# Allegro board meta_carrier_lay_rev1.brd (continued)
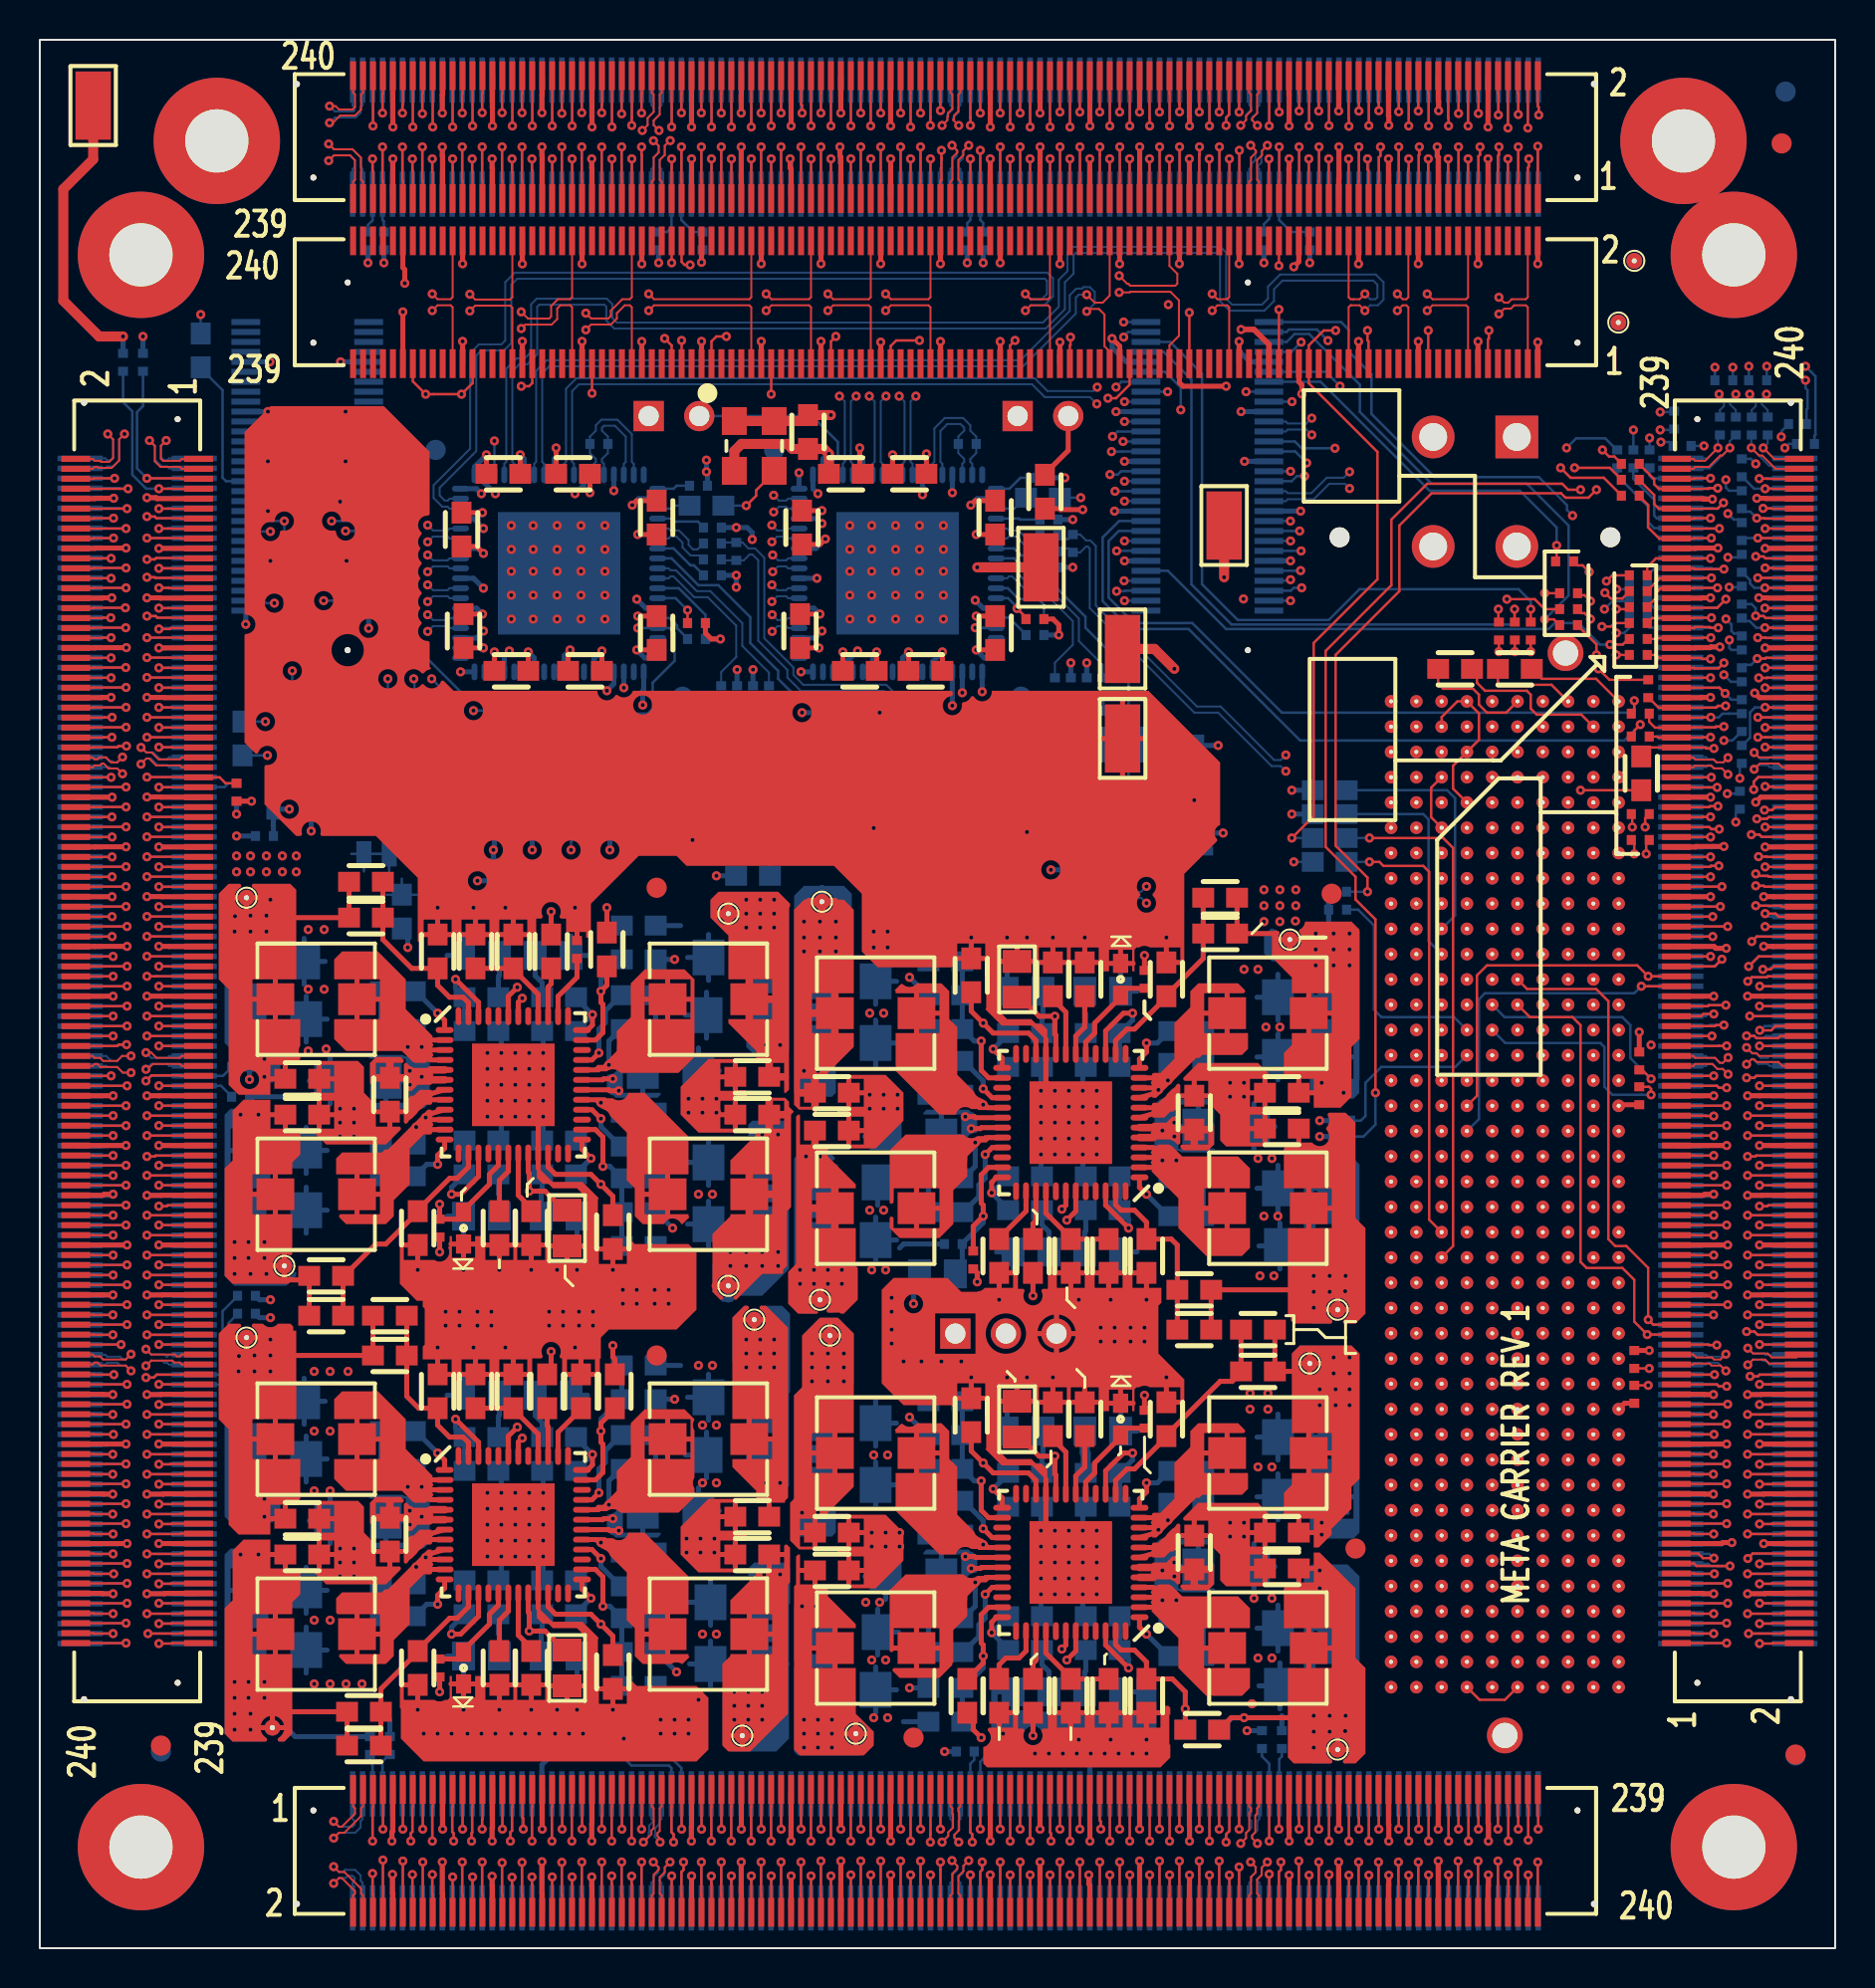
[diagram p0: board, top side]
## Routing (per net, layer and track width the routed paths; a pad name or vN(x,y) marks a point on that pad's centre or on a via; arc(x,y) is an arc through that point) (continued)
  BOTTOM w0.254: J15.140 3.39,40.33 3.39,40.33 v1(4.33,40.33) ; J12.80 v1(35.23,4.33) ; 11.03,30.68 TP13.1 10.38,30.03 ; J12.79 35.23,7.75 v1(35.23,5.98) ; v1(5.98,40.33) 7.75,40.33 J15.139 ; 9.43,27.48 C187.1 ; C187.1 10.48,28.63 ; C187.1 10.48,26.33 ; v1(20.23,5.98) 20.23,6.08 20.21,6.1 J12.19 ; v1(4.33,25.33) 3.4,25.33 3.39,25.31 J15.200 ; J12.20 v1(20.21,4.33) ; 9.53,24.58 C183.1 ; C183.1 10.58,23.43 ; C183.1 10.58,25.73 ; J15.199 6.14,25.31 6.13,25.33 v1(5.98,25.33)
  vias: v1(10,29.75) v1(9.98,28.98) v1(10.78,29.78) v1(10.78,28.98) v1(11.28,22.58) v1(11.28,21.68) v1(11.58,30.58) v1(11.58,29.78) v1(11.58,28.98)
Q2_VDDIO: length 67.9
  TOP w0.254: v1(40.23,4.38) 40.23,2.76 40.23,2.76 J5.100 ; L13.2 11.83,16.83 ; L13.2 11.83,14.73 ; L13.2 10.63,15.78 ; 11.53,19.78 C59.1 12.33,19.03 ; v1(25.22,4.34) 25.22,2.77 25.23,2.76 J5.40 ; v1(40.23,5.98) 40.23,6.49 40.23,6.49 J5.99 ; J3.219 v1(5.98,20.33) ; J5.39 v1(25.23,5.98) ; J3.220 v1(4.38,20.33) ; 11.03,11.08 TP18.1 ; TP18.1 12.33,11.08 ; TP18.1 11.68,11.73 ; R41.2 C69.1 12.58,11.88 ; J3.159 v1(5.98,35.33) ; J3.160 v1(4.38,35.33)
  PWR_L8 w0.254: TP18.1 12.33,11.08 ; TP18.1 11.03,11.08 ; TP18.1 11.68,10.43 ; TP18.1 11.68,11.73
  BOTTOM w0.254: v1(4.38,20.33) 3.92,20.33 3.9,20.31 J15.220 ; C184.1 10.58,19.13 ; C184.1 9.53,17.98 ; C184.1 10.58,16.83 ; v1(5.98,20.33) 7.73,20.33 J15.219 ; R136.2 11.03,32.58 v1(11.58,32.58) ; 10.58,13.83 C185.1 ; C185.1 9.53,14.98 ; C185.1 10.58,16.13 ; 11.03,11.08 TP18.1 ; TP18.1 11.68,11.73 ; TP18.1 12.33,11.08 ; J12.40 v1(25.22,4.34) ; J15.160 4.22,35.32 4.22,35.33 v1(4.38,35.33) ; R139.2 v1(10.53,43.65) ; J15.159 6.19,35.32 6.18,35.33 v1(5.98,35.33) ; 12.48,10.98 12.83,10.63 R132.2 ; J12.99 v1(40.23,5.98) ; R112.2 25.68,9.68 25.22,9.22 J12.39 25.22,6.29 25.23,6.28 v1(25.23,5.98) ; J12.100 v1(40.23,4.38)
  vias: v1(9.78,13.38) v1(9.78,12.58) v1(9.78,11.78) v1(9.78,10.98) v1(10.08,19.78) v1(10.48,13.38) v1(10.48,12.58) v1(10.58,11.78) v1(10.58,10.98) v1(10.98,19.78) v1(11.28,13.38) v1(11.28,12.58)
Q3_VDD: length 60
  TOP w0.254: C70.1 59.83,11.58 v1(60.48,11.58) 62.88,11.58 ; J5.139 v1(50.23,5.98) ; TP17.1 65.18,10.63 ; TP17.1 65.83,9.98 ; TP17.1 64.53,9.98 ; J5.140 v1(50.23,4.33) ; J5.200 v1(65.23,4.33) ; 63.73,14.03 L16.2 ; L16.2 63.73,16.13 ; L16.2 64.93,15.08 ; J4.41 v1(84.72,25.33) ; J4.101 v1(84.72,40.33) ; J5.199 v1(65.23,5.98) ; 64.03,19.08 C61.1 63.23,18.33 ; J4.42 v1(86.37,25.33) ; J4.102 v1(86.37,40.33)
  PWR_L7 w0.254: 65.18,9.33 TP17.1 ; TP17.1 64.53,9.98 ; TP17.1 65.18,10.63 ; TP17.1 65.83,9.98
  BOTTOM w0.254: 64.03,13.18 C72.1 ; C72.1 65.08,14.33 ; C72.1 66.13,13.18 ; C72.1 65.08,12.03 ; C78.1 66.03,16.08 ; C78.1 64.98,17.23 ; C78.1 64.98,14.93 ; C78.1 63.93,16.08 ; v1(86.37,25.33) 86.52,25.33 86.53,25.31 J6.42 ; v1(65.23,4.33) 65.23,3.4 65.25,3.39 J12.200 ; TP17.1 65.83,9.98 ; TP17.1 65.18,10.63 ; TP17.1 64.53,9.98 ; v1(60.48,11.58) 59.88,11.58 59.28,10.98 C70.1 ; v1(50.23,4.33) 50.23,3.39 50.24,3.39 J12.140 ; J12.199 65.25,6.14 65.23,6.13 v1(65.23,5.98) ; J12.139 50.23,7.75 v1(50.23,5.98) ; J6.41 83.78,25.31 83.79,25.33 v1(84.72,25.33) ; v1(86.37,40.33) 88.14,40.33 J6.102 ; J6.101 83.78,40.33 83.78,40.33 v1(84.72,40.33)
  vias: v1(63.98,11.68) v1(63.98,10.88) v1(63.98,10.08) v1(64.28,18.98) v1(64.28,18.08) v1(64.78,11.68) v1(64.78,10.88) v1(65.58,11.68) v1(65.56,10.91)
Q3_VDDIO: length 62.5
  TOP w0.254: R14.2 v1(80.33,46.03) ; 63.23,21.63 C56.1 64.03,20.88 ; 70.23,7.98 v1(70.23,5.98) ; TP14.1 63.78,30.03 ; TP14.1 63.78,28.73 ; TP14.1 63.13,29.38 ; TP14.1 64.43,29.38 ; v1(84.98,20.38) 84.52,20.38 84.47,20.33 J4.21 ; 63.73,23.83 L12.2 ; L12.2 63.73,25.93 ; L12.2 64.93,24.88 ; J4.81 v1(84.77,35.33) ; R27.2 v1(80.83,30.03) ; J4.22 v1(86.58,20.33) ; 62.98,28.98 C46.1 R26.2 ; 70.23,1.8 v1(70.23,4.38) ; J4.82 v1(86.37,35.33) ; J5.159 v1(55.23,5.98) ; J5.160 v1(55.23,4.38)
  PWR_L8 w0.254: TP14.1 64.43,29.38 ; TP14.1 63.78,30.03 ; TP14.1 63.78,28.73 ; TP14.1 63.13,29.38
  BOTTOM w0.254: v1(86.58,20.33) 88.12,20.33 J6.22 ; C77.1 66.03,22.68 ; C77.1 64.98,23.83 ; C77.1 64.98,21.53 ; C77.1 63.93,22.68 ; v1(84.98,20.38) 84.52,20.38 84.45,20.31 J6.21 ; v1(86.37,35.33) 86.57,35.33 86.58,35.32 J6.82 ; C76.1 66.03,25.68 ; C76.1 64.98,24.53 ; C76.1 64.98,26.83 ; C76.1 63.93,25.68 ; v1(70.23,4.38) 70.23,3.92 70.25,3.9 J12.220 ; 63.78,28.73 TP14.1 ; TP14.1 63.13,29.38 ; TP14.1 63.78,30.03 ; TP14.1 64.43,29.38 ; J12.160 55.24,4.22 55.23,4.22 v1(55.23,4.38) ; v1(55.23,5.98) 55.23,6.18 55.24,6.19 J12.159 ; J6.81 84.61,35.32 84.61,35.33 v1(84.77,35.33) ; v1(70.23,5.98) 70.23,7.73 J12.219 ; R78.2 v1(45.44,9.88) ; R53.2 v1(60.63,10.93)
  vias: v1(64.28,28.08) v1(64.28,27.28) v1(64.38,21.38) v1(64.38,20.78) v1(64.98,29.68) v1(64.98,28.88) v1(65.08,28.08) v1(65.08,27.28) v1(65.78,29.68) v1(65.78,28.88) v1(65.78,28.08) v1(65.78,27.28)
RCLOCK_Q1: length 4.8
  TOP w0.254: C23.1 R10.2 23.78,49.18 25.03,47.93 U2.40
RCLOCK_Q2: length 4.8
  TOP w0.254: U5.40 50.53,14.83 51.78,13.58 R39.2 C68.1
RCLOCK_Q4: length 4.8
  TOP w0.254: C47.1 R29.2 23.78,27.08 25.03,25.83 U4.40
RCLOCK_Q8: length 4.8
  TOP w0.254: U3.40 50.53,36.93 51.78,35.68 R20.2 C42.1
REFA: length 23.1
  TOP w0.127: v1(35.48,72.48) 35.98,72.98 35.98,73.25 36.88,74.16 U1.3
  SIGNAL_L5 w0.127: v1(35.48,72.48) 35.48,72.87 36.29,73.68 42.48,73.68 44.08,72.08 48.38,72.08 49.18,72.88 v1(52.28,72.88)
  BOTTOM w0.127: R69.1 v1(52.28,72.88) ; R96.1 v1(35.48,72.48)
REFA_B_CLOCK: length 2.2
  BOTTOM w0.127: U7.4 49.18,71.83 49.23,71.78 C98.1
REFA_B_CLOCK1: length 2.5
  BOTTOM w0.127: U10.4 31.73,71.83 31.88,71.68 33.05,71.68 33.33,71.4 C143.1
REFB_1_CLOCK: length 2.6
  BOTTOM w0.102: C99.1 49.93,70.68 49.71,70.68 49.16,71.23 48.68,71.23 48.58,71.33 U7.5
REFB_1_CLOCK1: length 3
  BOTTOM w0.102: C144.1 33.03,70.28 32.81,70.28 32.58,70.51 32.58,70.75 32.1,71.23 31.68,71.23 31.58,71.33 U10.5
REFB_B1_CLOCK: length 2.6
  BOTTOM w0.102: C100.1 50.03,70.38 49.58,70.38 49.03,70.93 48.68,70.93 48.58,70.83 U7.6
REFB_B1_CLOCK1: length 3
  BOTTOM w0.102: U10.6 31.58,70.83 31.68,70.93 31.97,70.93 32.28,70.62 32.28,70.38 32.68,69.98 33.13,69.98 C145.1
RESETB: length 180.8
  TOP w0.127: J2.107 48.73,80.53 v1(48.98,80.78) ; 69.73,79.61 v1(69.73,81.28) ; J2.131 42.73,80.5 43.01,80.78 v1(44.18,80.78) ; v1(65.08,81.28) 64.48,81.28 63.73,80.53 J2.47 63.73,78.63 67.18,75.18 67.18,68.78 63.98,65.58 63.98,56.88 v1(62.88,55.78) ; v1(39.98,80.98) 39.73,80.73 J2.143 ; J2.11 72.73,80.84 72.78,80.89 v1(72.78,81.28) ; v1(34.48,80.98) 33.98,80.98 33.73,80.73 J2.167 ; J2.71 v1(57.73,82.18) ; J2.83 54.73,78.56 54.05,77.88 v1(53.64,77.88) ; v1(24.18,78.48) 24.57,78.48 24.73,78.64 J2.203 ; v1(66.68,81.28) 66.68,80.79 66.73,80.73 J2.35 ; J2.191 v1(27.73,78.13) ; J2.215 21.73,78.63 v1(21.18,78.08) 19.77,78.08 19.77,78.08 v1(19.38,78.08) 18.73,78.73 J2.227 ; J2.95 51.73,80.52 51.76,80.55 v1(51.76,80.95) ; R3.1 v1(77.38,58.18) ; J2.155 v1(36.73,78.08)
  SIGNAL_L3 w0.083: v1(21.18,78.08) 21.58,78.48 v1(24.18,78.48) 24.53,78.13 v1(27.73,78.13) 28.19,78.58 32.08,78.58 v1(34.48,80.98) ; v1(19.38,78.08) 20.28,77.18 20.28,62.48 19.43,61.63 v1(11.33,61.63)
  SIGNAL_L5 w0.083: v1(34.48,80.98) 34.48,80.33 v1(36.73,78.08) 37.98,78.08 39.98,80.08 v1(39.98,80.98) 40.28,81.28 43.68,81.28 v1(44.18,80.78) 44.88,80.08 48.28,80.08 v1(48.98,80.78) 49.41,81.21 51.5,81.21 v1(51.76,80.95) 51.76,79 52.78,77.98 53.21,77.98 53.31,77.88 v1(53.64,77.88) 53.64,78.79 57.03,82.18 v1(57.73,82.18) 58.03,81.88 61.22,81.88 61.82,81.28 v1(65.08,81.28) v1(66.68,81.28) v1(69.73,81.28) v1(72.78,81.28)
  SIGNAL_L10 w0.083: v1(62.88,55.78) 65.28,58.18 v1(77.38,58.18) ; v1(8.08,82.08) 12.08,78.08 v1(19.38,78.08)
  BOTTOM w0.127: R142.1 v1(8.08,82.08) ; R48.1 v1(62.88,55.78) ; R138.1 v1(11.33,61.63)
ROWID2: length 38.1
  TOP w0.127: J2.173 v1(32.23,80.78)
  SIGNAL_L3 w0.083: v1(11.58,71.18) 15.38,67.38 15.38,66.78 17.48,64.68 v1(17.48,63.78)
  SIGNAL_L5 w0.083: v1(11.58,71.18) 12.88,71.18 15.28,73.58 25.03,73.58 v1(32.23,80.78)
  BOTTOM w0.127: J14.18 10.37,71.18 v1(11.58,71.18) ; v1(17.48,63.78) 17.48,62.64 U12.2
ROWID3: length 37.8
  TOP w0.127: J2.175 31.73,80.53 v1(31.38,80.88)
  SIGNAL_L5 w0.083: v1(31.38,80.88) 30.28,79.78 27.08,79.78 24.88,77.58 17.68,77.58 13.46,73.36 13.46,72.88 v1(12.28,71.7)
  BOTTOM w0.127: U12.1 16.27,63.59 15.98,63.88 15.22,63.88 12.28,66.83 v1(12.28,71.7) J14.20
RST_N_Q1: length 2.5
  TOP w0.254: U2.39 25.53,48.3 25.68,48.45 R11.1
RST_N_Q2: length 2.5
  TOP w0.254: U5.39 50.03,14.46 49.88,14.31 R38.1
RST_N_Q4: length 2.4
  TOP w0.254: U4.39 25.53,26.2 25.48,26.25 R30.1
RST_N_Q8: length 2.5
  TOP w0.254: R19.1 49.88,36.41 50.03,36.56 U3.39
SCL: length 167
  TOP w0.254: v1(51.58,36.58) 52.03,37.03 U3.43 ; v1(23.98,48.28) 23.53,47.83 U2.43 ; U5.43 52.03,14.93 v1(51.58,14.48) ; U4.43 23.53,25.73 v1(23.98,26.18)
  SIGNAL_L3 w0.254: v1(51.58,36.58) 48.78,33.78 48.78,32.48 48.52,32.22 J10.2 48.52,29.74 49.08,29.18 49.08,18.18 51.9,15.36 51.9,14.8 v1(51.58,14.48) ; v1(23.98,26.18) 23.98,31.18 23.68,31.48 23.68,36.18 21.38,38.48 21.38,45.68 v1(23.98,48.28)
  SIGNAL_L5 w0.254: v1(46.33,63.08) 47.13,62.28 58.18,62.28 60.18,60.28 60.18,59.68 v1(62.88,56.98) ; v1(51.58,14.48) 50.08,14.48 49.28,15.28 42.48,15.28 37.88,19.88 36.58,19.88 34.78,21.68 30.58,21.68 28.28,23.98 25.17,23.98 23.7,25.44 23.7,25.9 v1(23.98,26.18)
  SIGNAL_L10 w0.254: v1(23.98,48.28) 20.78,51.48 20.78,52.68 16.23,57.23 v1(12.53,57.23) 12.53,58.33 14.98,60.78 22.08,60.78 25.08,63.78 28.88,63.78 v1(29.33,63.33) 29.65,63.65 45.76,63.65 v1(46.33,63.08)
  BOTTOM w0.254: U10.21 v1(29.33,63.33) ; R135.2 11.73,56.38 11.72,56.39 11.72,56.53 11.73,56.54 U13.2 v1(12.53,57.23) ; R47.1 v1(62.88,56.98) ; U7.21 v1(46.33,63.08)
SCL_5V: length 7.7
  SIGNAL_L10 w0.127: v1(14.26,67.7) 12.68,66.13 v1(12.68,64.18)
  BOTTOM w0.127: v1(12.68,64.18) R134.1 ; J14.3 v1(14.26,67.7)
SDA: length 153.6
  TOP w0.254: U4.42 24.03,25.43 v1(24.23,25.63) ; v1(24.23,47.73) 24.03,47.53 U2.42 ; U3.42 51.53,37.33 v1(51.33,37.13) ; v1(51.33,15.03) 51.53,15.23 U5.42
  SIGNAL_L3 w0.254: v1(24.23,25.63) 24.78,26.18 24.78,32.48 24.22,33.04 24.22,36.64 21.88,38.98 21.88,45.38 v1(24.23,47.73) ; v1(51.33,37.13) 49.33,37.13 45.98,33.78 J10.1 46.68,30.18 46.78,30.18 47.48,29.48 47.48,26.28 48.34,25.42 48.34,22.89 48.25,22.8 48.25,18.11 v1(51.33,15.03)
  SIGNAL_L5 w0.254: v1(24.23,25.63) 27.63,25.63 30.88,22.38 35.38,22.38 36.98,20.78 39.98,20.78 44.08,16.68 49.68,16.68 v1(51.33,15.03) ; v1(45.83,62.43) 46.78,61.48 56.68,61.48 61.68,56.48 63.28,56.48 63.58,56.78 63.58,57.48 v1(62.88,58.18)
  SIGNAL_L10 w0.254: v1(45.83,62.43) 45.18,63.08 30.08,63.08 29.78,62.78 28.88,62.78 v1(28.48,63.18) 25.78,63.18 22.78,60.18 v1(22.78,55.18) 22.78,53.98 24.51,52.25 24.51,48.01 v1(24.23,47.73)
  BOTTOM w0.254: v1(28.48,63.18) 28.83,63.53 U10.22 ; U11.2 22.83,55.23 v1(22.78,55.18) R120.2 ; R46.1 v1(62.88,58.18) ; U7.22 v1(45.83,62.43)
SDA_5V: length 15.7
  SIGNAL_L12 w0.127: v1(11.78,67.58) 17.18,62.18 v1(21.78,62.18)
  BOTTOM w0.127: R119.1 22.72,62.13 22.67,62.18 v1(21.78,62.18) ; J14.4 11.23,67.7 11.36,67.58 v1(11.78,67.58)
SO_DATA_IN_N0: length 5
  TOP w0.127: v1(20.78,5.38) 20.78,5.77 20.71,5.84 20.71,7.07 20.73,7.09 J5.21
  BOTTOM w0.127: J12.21 20.71,5.84 20.78,5.77 v1(20.78,5.38)
SO_DATA_IN_N1: length 5
  TOP w0.127: J5.25 21.73,7.09 21.72,7.07 21.72,5.81 21.68,5.77 v1(21.68,5.38)
  BOTTOM w0.127: v1(21.68,5.38) 21.68,5.77 21.72,5.81 21.72,7.75
SO_DATA_IN_N2: length 3.8
  TOP w0.127: J5.31 v1(23.23,5.98)
  BOTTOM w0.127: J12.31 23.22,6.45 23.23,6.44 v1(23.23,5.98)
SO_DATA_IN_N3: length 3.8
  TOP w0.127: v1(24.28,5.98) 24.28,6.52 24.23,6.57 J5.35
  BOTTOM w0.127: v1(24.28,5.98) 24.28,6.13 24.23,6.18 24.23,7.74 J12.35
SO_DATA_IN_N4: length 5
  TOP w0.127: J5.41 25.73,7.09 25.72,7.07 v1(25.72,5.38)
  BOTTOM w0.127: J12.41 v1(25.72,5.38)
SO_DATA_IN_N5: length 5
  TOP w0.127: v1(26.72,5.38) 26.72,7.07 26.73,7.09 J5.45
  BOTTOM w0.127: J12.45 v1(26.72,5.38)
SO_DATA_IN_N6: length 3.8
  TOP w0.127: v1(28.22,5.98) 28.22,6.62 28.23,6.64 J5.51
  BOTTOM w0.127: v1(28.22,5.98) J12.51
SO_DATA_IN_N7: length 3.8
  TOP w0.127: J5.55 v1(29.23,5.98)
  BOTTOM w0.127: v1(29.23,5.98) 29.23,6.37 29.22,6.39 J12.55
SO_DATA_IN_N8: length 5
  TOP w0.127: J5.81 35.73,7.09 35.73,7.08 v1(35.73,5.38)
  BOTTOM w0.127: J12.81 v1(35.73,5.38)
SO_DATA_IN_N9: length 5
  TOP w0.127: J5.85 36.73,7.09 36.73,7.08 v1(36.73,5.38)
  BOTTOM w0.127: J12.85 v1(36.73,5.38)
SO_DATA_IN_N10: length 3.8
  TOP w0.127: J5.91 v1(38.23,5.98)
  BOTTOM w0.127: J12.91 38.23,6.45 38.23,6.45 v1(38.23,5.98)
SO_DATA_IN_N11: length 3.8
  TOP w0.127: J5.95 v1(39.23,5.98)
  BOTTOM w0.127: v1(39.23,5.98) 39.23,6.45 39.23,6.45 J12.95
SO_DATA_IN_N12: length 5
  TOP w0.127: v1(40.73,5.38) 40.73,7.08 40.73,7.09 J5.101
  BOTTOM w0.127: J12.101 v1(40.73,5.38)
SO_DATA_IN_N13: length 5
  TOP w0.127: J5.105 41.73,7.09 41.73,7.09 41.73,5.87 41.73,5.87 v1(41.73,5.38)
  BOTTOM w0.127: v1(41.73,5.38) 41.73,5.87 41.73,5.87 J12.105
SO_DATA_IN_N14: length 3.8
  TOP w0.127: J5.111 v1(43.23,5.98)
  BOTTOM w0.127: v1(43.23,5.98) 43.23,6.45 43.23,6.45 43.23,7.75
SO_DATA_IN_N15: length 3.8
  TOP w0.127: J5.115 v1(44.23,5.98)
  BOTTOM w0.127: J12.115 44.23,6.45 44.23,6.45 v1(44.23,5.98)
SO_DATA_IN_N16: length 5
  TOP w0.127: J5.141 50.73,7.09 50.74,7.08 50.74,5.82 50.78,5.77 v1(50.78,5.38)
  BOTTOM w0.127: v1(50.78,5.38) 50.78,5.77 50.74,5.82 J12.141
SO_DATA_IN_N17: length 5
  TOP w0.127: v1(51.74,5.38) 51.74,7.08 51.73,7.09 J5.145
  BOTTOM w0.127: J12.145 v1(51.74,5.38)
SO_DATA_IN_N18: length 3.8
  TOP w0.127: J5.151 53.23,6.42 53.28,6.37 v1(53.28,5.98)
  BOTTOM w0.127: J12.151 53.24,6.42 53.28,6.37 v1(53.28,5.98)
SO_DATA_IN_N19: length 3.8
  TOP w0.127: J5.155 v1(54.23,5.98)
  BOTTOM w0.127: v1(54.23,5.98) 54.23,6.45 54.24,6.45 J12.155
SO_DATA_IN_N20: length 5
  TOP w0.127: v1(55.74,5.38) 55.74,7.08 55.73,7.09 J5.161
  BOTTOM w0.127: J12.161 v1(55.74,5.38)
SO_DATA_IN_N21: length 5
  TOP w0.127: v1(56.74,5.38) 56.74,7.08 56.73,7.09 J5.165
  BOTTOM w0.127: J12.165 v1(56.74,5.38)
SO_DATA_IN_N22: length 3.8
  TOP w0.127: J5.171 v1(58.23,5.98)
  BOTTOM w0.127: J12.171 58.24,6.45 58.23,6.44 v1(58.23,5.98)
SO_DATA_IN_N23: length 3.8
  TOP w0.127: J5.175 v1(59.23,5.98)
  BOTTOM w0.127: J12.175 59.24,6.45 59.23,6.44 v1(59.23,5.98)
SO_DATA_IN_N24: length 5
  TOP w0.127: v1(65.75,5.38) 65.75,7.07 65.73,7.09 J5.201
  BOTTOM w0.127: J12.201 v1(65.75,5.38)
SO_DATA_IN_N25: length 5
  TOP w0.127: J5.205 66.73,7.09 66.75,7.07 v1(66.75,5.38)
  BOTTOM w0.127: J12.205 v1(66.75,5.38)
SO_DATA_IN_N26: length 3.8
  TOP w0.127: v1(68.25,5.98) 68.25,6.64 68.23,6.66 J5.211
  BOTTOM w0.127: v1(68.25,5.98) J12.211
SO_DATA_IN_N27: length 3.8
  TOP w0.127: 69.23,7.98 69.23,6.62 69.25,6.61 v1(69.25,5.98)
  BOTTOM w0.127: v1(69.25,5.98) 69.25,7.75
SO_DATA_IN_N28: length 5
  TOP w0.127: J5.221 70.73,7.09 70.75,7.07 v1(70.75,5.38)
  BOTTOM w0.127: J12.221 v1(70.75,5.38)
SO_DATA_IN_N29: length 5
  TOP w0.127: J5.225 71.73,7.09 71.75,7.07 v1(71.75,5.38)
  BOTTOM w0.127: J12.225 v1(71.75,5.38)
SO_DATA_IN_N30: length 3.8
  TOP w0.127: J5.231 v1(73.23,5.98)
  BOTTOM w0.127: J12.231 73.25,6.45 73.23,6.43 v1(73.23,5.98)
SO_DATA_IN_N31: length 3.8
  TOP w0.127: J5.235 74.23,6.62 74.26,6.6 v1(74.26,5.98)
  BOTTOM w0.127: v1(74.26,5.98) J12.235
SO_DATA_IN_P0: length 3.8
  TOP w0.127: J5.23 v1(21.23,5.98)
  BOTTOM w0.127: J12.23 21.22,6.15 21.23,6.13 v1(21.23,5.98)
SO_DATA_IN_P1: length 3.8
  TOP w0.127: J5.27 22.23,6.49 22.22,6.47 v1(22.22,5.98)
  BOTTOM w0.127: v1(22.22,5.98) J12.27
SO_DATA_IN_P2: length 5
  TOP w0.127: J5.33 23.73,7.09 23.72,7.07 23.72,5.91 23.63,5.82 v1(23.63,5.38)
  BOTTOM w0.127: J12.33 23.72,5.91 23.63,5.82 v1(23.63,5.38)
SO_DATA_IN_P3: length 5
  TOP w0.127: J5.37 24.73,7.09 24.72,7.07 v1(24.72,5.38)
  BOTTOM w0.127: J12.37 v1(24.72,5.38)
SO_DATA_IN_P4: length 3.8
  TOP w0.127: J5.43 v1(26.23,5.98)
  BOTTOM w0.127: J12.43 26.22,6.45 26.23,6.44 v1(26.23,5.98)
SO_DATA_IN_P5: length 3.8
  TOP w0.127: J5.47 v1(27.23,5.98)
  BOTTOM w0.127: J12.47 27.22,6.45 27.23,6.44 v1(27.23,5.98)
SO_DATA_IN_P6: length 5
  TOP w0.127: v1(28.72,5.38) 28.72,7.08 28.73,7.09 J5.53
  BOTTOM w0.127: J12.53 v1(28.72,5.38)
SO_DATA_IN_P7: length 5
  TOP w0.127: v1(29.72,5.38) 29.72,7.08 29.73,7.09 J5.57
  BOTTOM w0.127: J12.57 v1(29.72,5.38)
SO_DATA_IN_P8: length 3.8
  TOP w0.127: J5.83 v1(36.23,5.98)
  BOTTOM w0.127: J12.83 36.23,6.45 36.23,6.45 v1(36.23,5.98)
SO_DATA_IN_P9: length 3.8
  TOP w0.127: J5.87 v1(37.23,5.98)
  BOTTOM w0.127: J12.87 37.23,6.45 37.23,6.45 v1(37.23,5.98)
SO_DATA_IN_P10: length 5
  TOP w0.127: J5.93 38.73,7.09 38.73,7.08 v1(38.73,5.38)
  BOTTOM w0.127: J12.93 v1(38.73,5.38)
SO_DATA_IN_P11: length 5
  TOP w0.127: J5.97 39.73,7.09 39.73,7.08 v1(39.73,5.38)
  BOTTOM w0.127: J12.97 v1(39.73,5.38)
SO_DATA_IN_P12: length 3.8
  TOP w0.127: J5.103 v1(41.23,5.98)
  BOTTOM w0.127: J12.103 41.23,6.45 41.23,6.45 v1(41.23,5.98)
SO_DATA_IN_P13: length 3.8
  TOP w0.127: J5.107 v1(42.23,5.98)
  BOTTOM w0.127: 42.23,7.75 42.23,6.45 42.23,6.45 v1(42.23,5.98)
SO_DATA_IN_P14: length 5
  TOP w0.127: v1(43.73,5.38) 43.73,7.09 J5.113
  BOTTOM w0.127: J12.113 v1(43.73,5.38)
SO_DATA_IN_P15: length 5.1
  TOP w0.127: v1(44.73,5.33) 44.73,5.72 44.73,5.73 44.73,7.09 J5.117
  BOTTOM w0.127: J12.117 44.73,5.73 44.73,5.72 v1(44.73,5.33)
SO_DATA_IN_P16: length 3.8
  TOP w0.127: J5.143 v1(51.23,5.98)
  BOTTOM w0.127: v1(51.23,5.98) 51.23,6.45 51.24,6.45 J12.143
SO_DATA_IN_P17: length 3.8
  TOP w0.127: J5.147 v1(52.23,5.98)
  BOTTOM w0.127: J12.147 52.24,6.45 52.23,6.45 v1(52.23,5.98)
SO_DATA_IN_P18: length 5
  TOP w0.127: J5.153 53.73,7.09 53.74,7.08 v1(53.74,5.38)
  BOTTOM w0.127: J12.153 v1(53.74,5.38)
SO_DATA_IN_P19: length 5
  TOP w0.127: J5.157 54.73,7.09 54.74,7.08 v1(54.74,5.38)
  BOTTOM w0.127: J12.157 v1(54.74,5.38)
SO_DATA_IN_P20: length 3.8
  TOP w0.127: J5.163 v1(56.23,5.98)
  BOTTOM w0.127: J12.163 56.24,6.45 56.23,6.45 v1(56.23,5.98)
SO_DATA_IN_P21: length 3.8
  TOP w0.127: J5.167 v1(57.23,5.98)
  BOTTOM w0.127: J12.167 57.24,6.45 57.23,6.45 v1(57.23,5.98)
SO_DATA_IN_P22: length 5
  TOP w0.127: v1(58.74,5.38) 58.74,7.08 58.73,7.09 J5.173
  BOTTOM w0.127: J12.173 v1(58.74,5.38)
SO_DATA_IN_P23: length 5.2
  TOP w0.127: v1(59.58,5.33) 59.58,5.72 59.74,5.89 59.74,7.08 59.73,7.09 J5.177
  BOTTOM w0.127: v1(59.58,5.33) 59.58,5.72 59.74,5.89 J12.177
SO_DATA_IN_P24: length 3.8
  TOP w0.127: v1(66.25,5.98) 66.25,6.54 66.23,6.56 J5.203
  BOTTOM w0.127: v1(66.25,5.98) J12.203
SO_DATA_IN_P25: length 3.8
  TOP w0.127: J5.207 67.23,6.66 67.25,6.64 v1(67.25,5.98)
  BOTTOM w0.127: v1(67.25,5.98) J12.207
SO_DATA_IN_P26: length 5
  TOP w0.127: J5.213 68.73,7.09 68.75,7.07 v1(68.75,5.38)
  BOTTOM w0.127: J12.213 v1(68.75,5.38)
SO_DATA_IN_P27: length 5
  TOP w0.127: 69.73,7.98 69.73,7.09 69.75,7.07 v1(69.75,5.38)
  BOTTOM w0.127: J12.217 v1(69.75,5.38)
SO_DATA_IN_P28: length 3.8
  TOP w0.127: v1(71.25,5.98) 71.25,6.64 71.23,6.66 J5.223
  BOTTOM w0.127: v1(71.25,5.98) J12.223
SO_DATA_IN_P29: length 3.8
  TOP w0.127: v1(72.25,5.98) 72.25,6.57 72.23,6.59 J5.227
  BOTTOM w0.127: v1(72.25,5.98) J12.227
SO_DATA_IN_P30: length 5
  TOP w0.127: J5.233 73.73,7.09 73.75,7.07 v1(73.75,5.38)
  BOTTOM w0.127: J12.233 v1(73.75,5.38)
SO_DATA_IN_P31: length 4.9
  TOP w0.127: v1(74.75,5.43) 74.75,7.07 74.73,7.09 J5.237
  BOTTOM w0.127: J12.237 v1(74.75,5.43)
SO_DATA_OUT_N0: length 3.3
  TOP w0.127: J5.22 v1(20.73,3.58)
  BOTTOM w0.127: v1(20.73,3.58) 20.71,3.56 J12.22
SO_DATA_OUT_N1: length 3.3
  TOP w0.127: J5.26 v1(21.73,3.58)
  BOTTOM w0.127: 21.72,2.03 21.72,3.56 v1(21.73,3.58)
SO_DATA_OUT_N2: length 4.8
  TOP w0.127: J5.32 23.23,2.69 23.22,2.71 v1(23.22,4.3)
  BOTTOM w0.127: J12.32 v1(23.22,4.3)
SO_DATA_OUT_N3: length 4.8
  TOP w0.127: v1(24.22,4.31) 24.22,2.71 24.23,2.69 J5.36
  BOTTOM w0.127: J12.36 v1(24.22,4.31)
SO_DATA_OUT_N4: length 3.3
  TOP w0.127: J5.42 v1(25.73,3.58)
  BOTTOM w0.127: J12.42 25.72,3.57 v1(25.73,3.58)
SO_DATA_OUT_N5: length 3.3
  TOP w0.127: J5.46 v1(26.73,3.58)
  BOTTOM w0.127: J12.46 26.72,3.57 v1(26.73,3.58)
SO_DATA_OUT_N6: length 4.8
  TOP w0.127: v1(28.22,4.33) 28.22,2.7 28.23,2.69 J5.52
  BOTTOM w0.127: J12.52 v1(28.22,4.33)
SO_DATA_OUT_N7: length 4.8
  TOP w0.127: v1(29.22,4.33) 29.22,2.7 29.23,2.69 J5.56
  BOTTOM w0.127: J12.56 v1(29.22,4.33)
SO_DATA_OUT_N8: length 3.4
  TOP w0.127: J5.82 v1(35.73,3.63)
  BOTTOM w0.127: v1(35.73,3.63) 35.73,3.33 35.73,3.33 J12.82
SO_DATA_OUT_N9: length 3.4
  TOP w0.127: J5.86 v1(36.73,3.63)
  BOTTOM w0.127: v1(36.73,3.63) 36.73,3.33 36.73,3.33 J12.86
SO_DATA_OUT_N10: length 4.8
  TOP w0.127: J5.92 38.23,2.69 38.23,2.7 v1(38.23,4.33)
  BOTTOM w0.127: J12.92 v1(38.23,4.33)
SO_DATA_OUT_N11: length 4.9
  TOP w0.127: v1(39.23,4.38) 39.23,2.7 39.23,2.69 J5.96
  BOTTOM w0.127: J12.96 v1(39.23,4.38)
SO_DATA_OUT_N12: length 3.5
  TOP w0.127: J5.102 v1(40.73,3.68)
  BOTTOM w0.127: J12.102 40.73,3.33 40.73,3.33 v1(40.73,3.68)
SO_DATA_OUT_N13: length 3.5
  TOP w0.127: J5.106 v1(41.73,3.68)
  BOTTOM w0.127: J12.106 41.73,3.33 41.73,3.33 v1(41.73,3.68)
SO_DATA_OUT_N14: length 4.9
  TOP w0.127: J5.112 43.23,2.69 43.23,2.69 v1(43.23,4.38)
  BOTTOM w0.127: 43.23,2.03 v1(43.23,4.38)
SO_DATA_OUT_N15: length 4.9
  TOP w0.127: v1(44.23,4.38) 44.23,2.69 J5.116
  BOTTOM w0.127: J12.116 v1(44.23,4.38)
SO_DATA_OUT_N16: length 3.5
  TOP w0.127: J5.142 50.73,2.69 50.74,2.7 v1(50.74,3.68)
  BOTTOM w0.127: J12.142 v1(50.74,3.68)
SO_DATA_OUT_N17: length 3.5
  TOP w0.127: J5.146 51.73,2.69 51.74,2.7 v1(51.74,3.68)
  BOTTOM w0.127: J12.146 v1(51.74,3.68)
SO_DATA_OUT_N18: length 4.8
  TOP w0.127: J5.152 v1(53.23,4.33)
  BOTTOM w0.127: v1(53.23,4.33) 53.23,3.33 53.24,3.33 J12.152
SO_DATA_OUT_N19: length 4.8
  TOP w0.127: J5.156 v1(54.23,4.33)
  BOTTOM w0.127: v1(54.23,4.33) 54.23,3.33 54.24,3.33 J12.156
SO_DATA_OUT_N20: length 3.5
  TOP w0.127: J5.162 55.73,2.69 55.74,2.7 v1(55.74,3.68)
  BOTTOM w0.127: J12.162 v1(55.74,3.68)
SO_DATA_OUT_N21: length 3.5
  TOP w0.127: J5.166 56.73,2.69 56.74,2.7 v1(56.74,3.68)
  BOTTOM w0.127: J12.166 v1(56.74,3.68)
SO_DATA_OUT_N22: length 4.9
  TOP w0.127: J5.172 v1(58.23,4.38)
  BOTTOM w0.127: v1(58.23,4.38) 58.23,3.34 58.24,3.33 J12.172
SO_DATA_OUT_N23: length 4.9
  TOP w0.127: J5.176 v1(59.23,4.38)
  BOTTOM w0.127: J12.176 59.24,3.33 59.23,3.34 v1(59.23,4.38)
SO_DATA_OUT_N24: length 3.5
  TOP w0.127: J5.202 65.73,2.69 65.75,2.71 v1(65.75,3.67)
  BOTTOM w0.127: J12.202 v1(65.75,3.67)
SO_DATA_OUT_N25: length 3.5
  TOP w0.127: v1(66.75,3.66) 66.75,2.71 66.73,2.69 J5.206
  BOTTOM w0.127: J12.206 v1(66.75,3.66)
SO_DATA_OUT_N26: length 4.8
  TOP w0.127: J5.212 v1(68.23,4.33)
  BOTTOM w0.127: v1(68.23,4.33) 68.23,3.34 68.25,3.33 J12.212
SO_DATA_OUT_N27: length 4.8
  TOP w0.127: 69.23,1.8 v1(69.23,4.33)
  BOTTOM w0.127: 69.25,2.03 69.25,3.33 69.23,3.34 v1(69.23,4.33)
SO_DATA_OUT_N28: length 3.5
  TOP w0.127: v1(70.75,3.68) 70.75,2.71 70.73,2.69 J5.222
  BOTTOM w0.127: J12.222 v1(70.75,3.68)
SO_DATA_OUT_N29: length 3.6
  TOP w0.127: J5.226 71.73,2.69 71.75,2.71 v1(71.75,3.71)
  BOTTOM w0.127: J12.226 v1(71.75,3.71)
SO_DATA_OUT_N30: length 4.9
  TOP w0.127: J5.232 v1(73.23,4.38)
  BOTTOM w0.127: J12.232 73.25,3.33 73.23,3.35 v1(73.23,4.38)
SO_DATA_OUT_N31: length 4.8
  TOP w0.127: J5.236 v1(74.23,4.33)
  BOTTOM w0.127: v1(74.23,4.33) 74.23,3.35 74.26,3.33 J12.236
SO_DATA_OUT_P0: length 4.8
  TOP w0.127: v1(21.22,4.33) 21.22,2.71 21.23,2.69 J5.24
  BOTTOM w0.127: J12.24 v1(21.22,4.33)
SO_DATA_OUT_P1: length 4.8
  TOP w0.127: J5.28 22.23,2.69 22.22,2.71 v1(22.22,4.33)
  BOTTOM w0.127: J12.28 v1(22.22,4.33)
SO_DATA_OUT_P2: length 3.3
  TOP w0.127: J5.34 23.73,3.15 23.72,3.17 v1(23.72,3.56)
  BOTTOM w0.127: v1(23.72,3.56) J12.34
SO_DATA_OUT_P3: length 3.3
  TOP w0.127: v1(24.72,3.58) 24.72,3.19 24.73,3.17 J5.38
  BOTTOM w0.127: v1(24.72,3.58) J12.38
SO_DATA_OUT_P4: length 4.8
  TOP w0.127: J5.44 26.23,2.69 26.22,2.71 v1(26.22,4.32)
  BOTTOM w0.127: J12.44 v1(26.22,4.32)
SO_DATA_OUT_P5: length 4.8
  TOP w0.127: v1(27.22,4.33) 27.22,2.71 27.23,2.69 J5.48
  BOTTOM w0.127: J12.48 v1(27.22,4.33)
SO_DATA_OUT_P6: length 3.4
  TOP w0.127: v1(28.72,3.63) 28.72,3.24 28.73,3.22 J5.54
  BOTTOM w0.127: v1(28.72,3.63) J12.54
SO_DATA_OUT_P7: length 3.4
  TOP w0.127: J5.58 29.73,3.21 29.72,3.22 v1(29.72,3.62)
  BOTTOM w0.127: v1(29.72,3.62) J12.58
SO_DATA_OUT_P8: length 4.8
  TOP w0.127: J5.84 36.23,2.69 36.23,2.7 v1(36.23,4.33)
  BOTTOM w0.127: J12.84 v1(36.23,4.33)
SO_DATA_OUT_P9: length 4.8
  TOP w0.127: v1(37.23,4.33) 37.23,2.7 37.23,2.69 J5.88
  BOTTOM w0.127: J12.88 v1(37.23,4.33)
SO_DATA_OUT_P10: length 3.4
  TOP w0.127: J5.94 v1(38.73,3.63)
  BOTTOM w0.127: J12.94 38.73,3.33 38.73,3.33 v1(38.73,3.63)
SO_DATA_OUT_P11: length 3.4
  TOP w0.127: J5.98 v1(39.73,3.63)
  BOTTOM w0.127: J12.98 39.73,3.33 39.73,3.33 v1(39.73,3.63)
SO_DATA_OUT_P12: length 4.9
  TOP w0.127: v1(41.23,4.38) 41.23,2.69 41.23,2.69 J5.104
  BOTTOM w0.127: J12.104 v1(41.23,4.38)
SO_DATA_OUT_P13: length 4.9
  TOP w0.127: J5.108 42.23,2.69 42.23,2.69 v1(42.23,4.38)
  BOTTOM w0.127: 42.23,2.03 v1(42.23,4.38)
